# KiCad board PC110.kicad_pcb (continued)
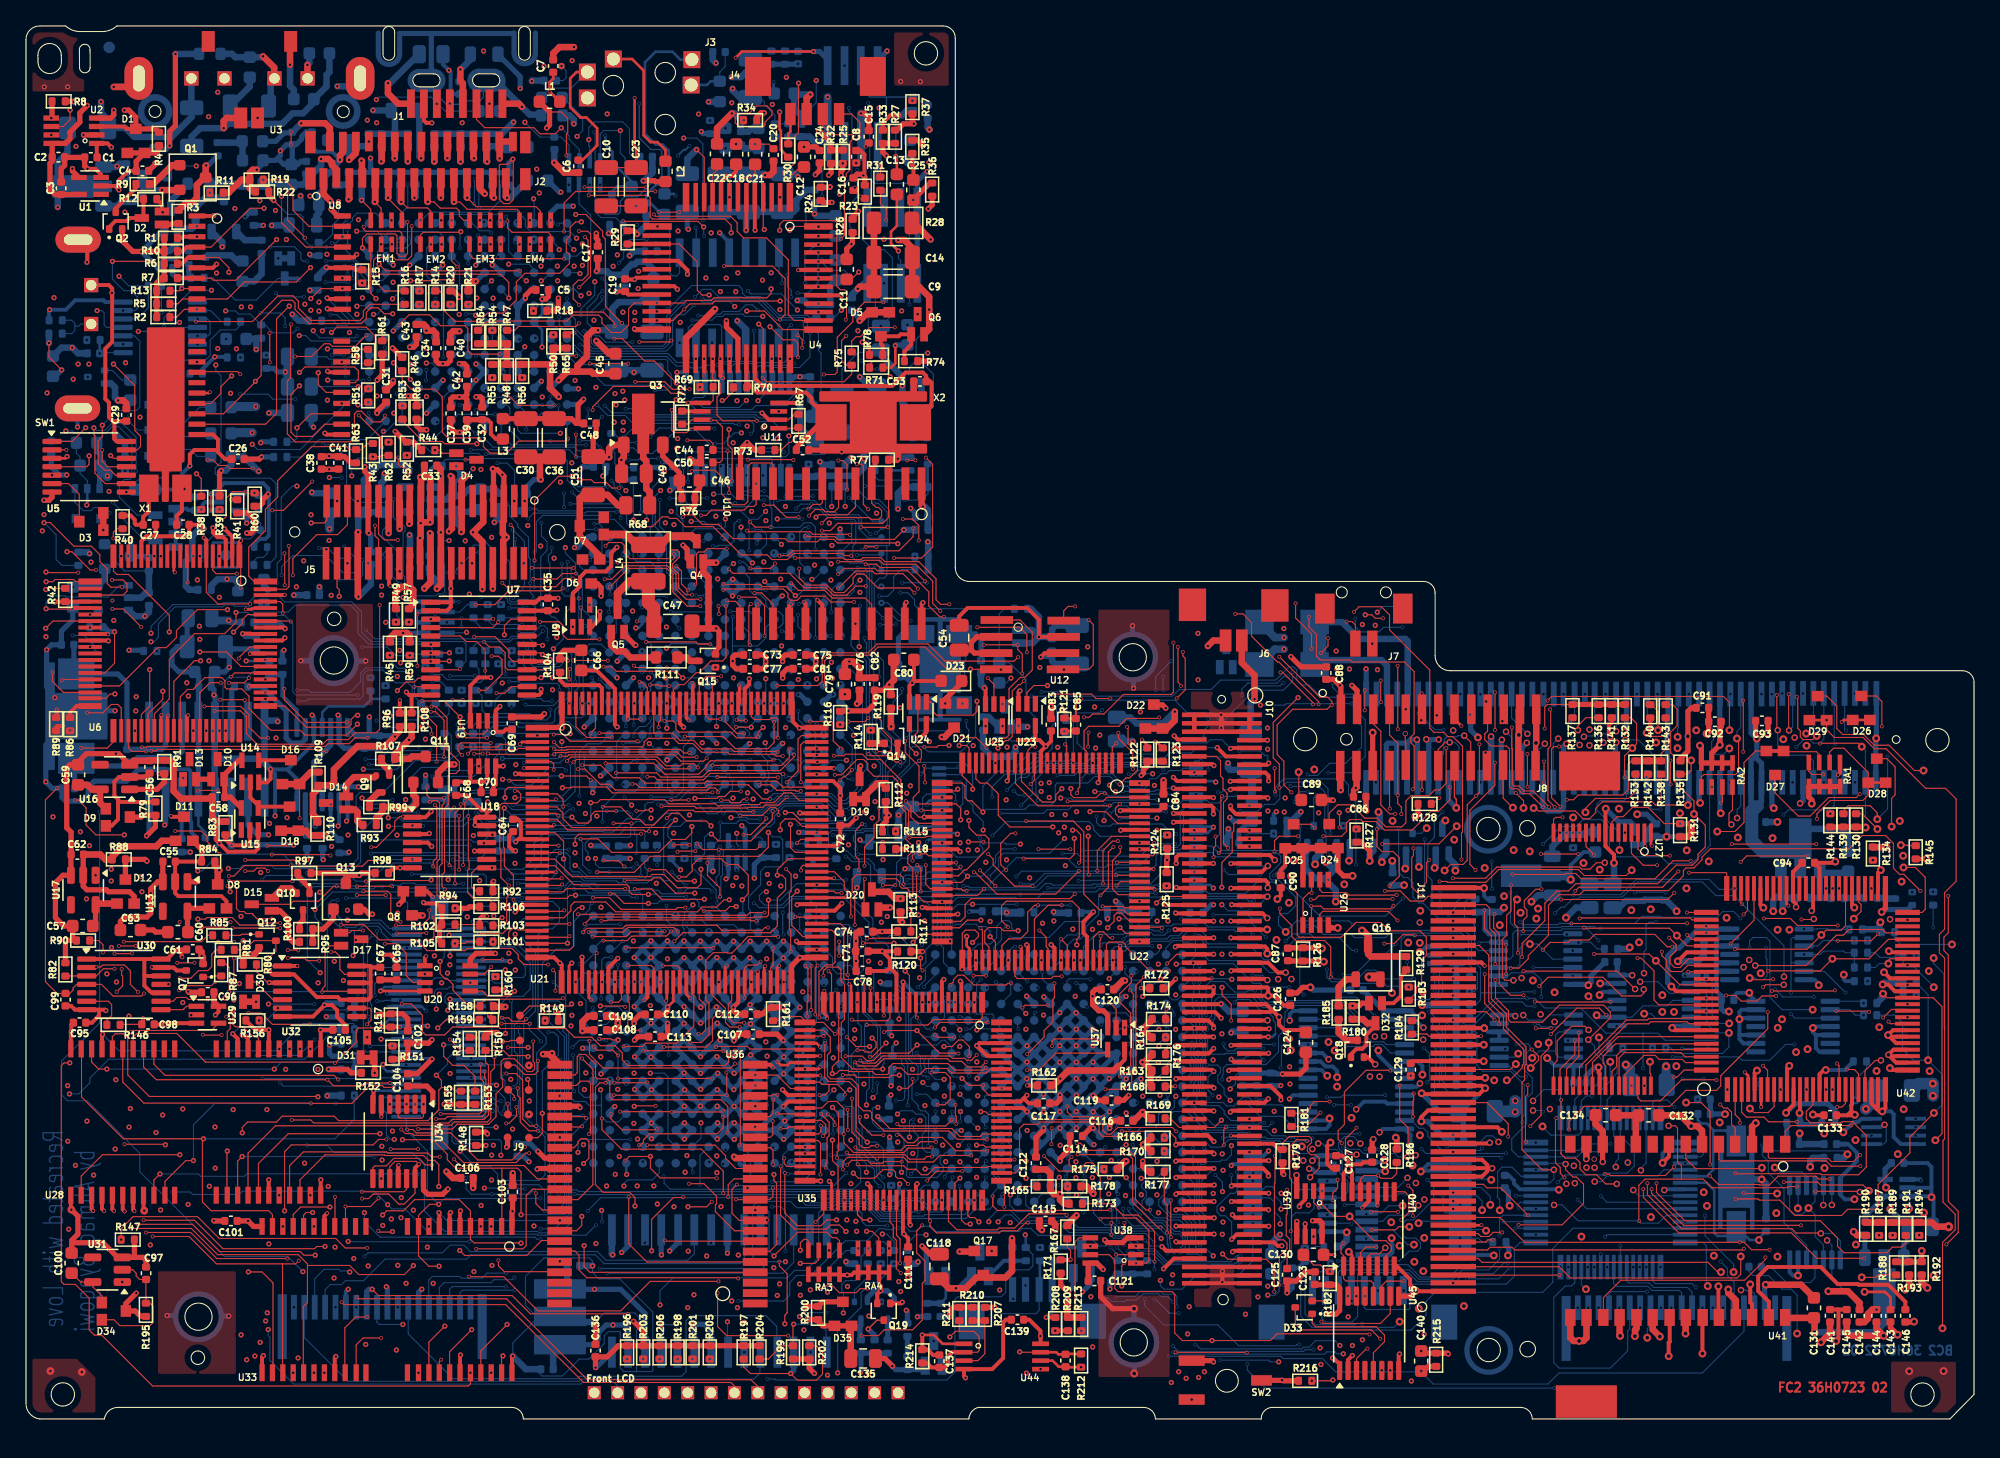
[diagram p0: board, top side]
## Routing (per net, layer and track width the routed paths; a pad name or vN(x,y) marks a point on that pad's centre or on a via; arc(x,y) is an arc through that point) (continued)
Net-(U10-M): length 54.8
  FC2 w0.3: v1(69.09,62.91) 68.99,62.81 U10.24
  FC2 w0.4: R92.2 35.97,41.38 v1(36.02,41.43)
  IC1 w0.08: v1(36.02,41.43) 36.11,41.52 47.16,41.52 48.79,43.15 65.84,43.15 65.89,43.1 v1(66.02,43.1)
  IC4 w0.08: v1(66.02,43.1) 66.02,45.28 65.61,45.69 65.61,46.98 65.99,47.36 65.99,48.68 66.89,49.58 66.89,50.43 66.63,50.69 66.63,52.99 69.1,55.46 69.1,62.9 v1(69.09,62.91)
Net-(U10-MO): length 56.4
  FC2 w0.08: v3(59.44,83.52) 59.79,83.17 v3(59.79,82.55) ; v3(58.93,64.42) 59.5,63.85 61.52,63.85 62.11,63.26 64.64,63.26 65.14,62.76 U10.21
  FC1 w0.08: v3(59.44,83.52) 59.42,83.54 59.42,84.83 59.87,85.28 59.87,91.41 61.58,93.12 62.14,93.12 62.68,93.66 v1(62.68,94.39) ; v3(58.93,64.42) 58.75,64.6 58.75,69.9 58.89,70.04 58.89,73.23 58.76,73.36 58.76,74.11 59.18,74.53 59.18,77.27 57.07,79.38 57.07,82.21 57.41,82.55 v3(59.79,82.55)
  BC1 w0.08: v7(58.23,87.53) 59.99,87.53 v7(60,87.54) ; v7(60.68,90.4) 60.68,91.93 61.66,92.91 61.66,93.9 62.15,94.39 v1(62.68,94.39)
  BC2 w0.08: v7(60,87.54) 60,89.72 v7(60.68,90.4) ; v7(58.23,87.53) 58.23,88.04 58,88.27 U46.7
Net-(U10-RD#): length 317.4
  FC2 w0.08: v3(27.38,23.29) 27.37,23.3 ; v3(51.1,50.19) 51.01,50.1 49.21,50.1 48.49,50.82 42.4,50.82 v3(42.19,50.61) ; v3(27.76,21.54) 27.16,21.54 26.74,21.12 20.44,21.12 19.92,20.6 v1(19.92,16.04) ; v3(38.76,20.48) 38.47,20.48 37.75,19.76 33.7,19.76 31.6,21.86 29.87,21.86 29.74,21.99 29.23,21.99 v3(28.91,22.31) ; U10.6 62.59,70.23 62.28,69.92 61.53,69.92 61.37,70.08 60.79,70.08 v3(60.32,69.61)
  FC2 w0.3: 27.37,23.3 U34.6
  FC1 w0.08: v3(28.91,22.31) 28.84,22.31 27.86,23.29 v3(27.38,23.29) 27.38,22.9 27.76,22.52 v3(27.76,21.54) ; v3(51.1,50.19) 51.1,50.88 51.38,51.16 51.38,51.2 51.48,51.3 51.48,52.58 52.03,53.13 52.03,57.46 51.76,57.73 51.76,60.59 52.67,61.5 54.87,61.5 55.05,61.68 61.09,61.68 61.49,62.08 61.49,63.63 60.95,64.17 60.95,64.93 60.32,65.56 v3(60.32,69.61) ; v3(38.76,20.48) 38.76,22.58 37.46,23.88 36.8,23.88 36.67,24.01 36.67,24.7 36.93,24.96 38.42,24.96 39.13,25.67 39.13,26.5 38.88,26.75 38.58,26.75 38.37,26.96 38.37,27.36 38.57,27.56 38.94,27.56 39.13,27.75 39.13,28.72 39.37,28.96 39.37,30.04 39.32,30.09 39.32,30.88 39.2,31 39.2,31.64 39.52,31.96 39.52,37.46 40.21,38.15 40.21,50.1 40.47,50.36 41.94,50.36 v3(42.19,50.61)
  IC1 w0.08: v1(19.92,16.04) 19.69,16.04 19.61,16.12 10.39,16.12 v1(10.37,16.1) ; v1(1.54,60.28) 1.55,60.29 2.24,60.29 2.82,60.87 2.82,64.45 2.09,65.18 2.09,69.27 1.67,69.69 v1(1.39,69.69)
  IC2 w0.08: v1(1.54,60.28) 2.55,60.28 3.16,59.68 3.16,40.86 3.54,40.47 3.54,33.5 2.69,32.65 2.69,19.43 4.06,18.06 8.41,18.06 v1(10.37,16.1)
  IC3 w0.08: v1(1.39,69.69) 2.03,70.33 2.03,76.76 1.77,77.03 1.77,78.41 2.44,79.08 2.51,79.08 2.88,79.45 4.36,79.45 6.04,81.13 6.04,94.6 11.03,99.59 11.03,104.02 12.69,105.68 19.24,105.68 19.96,104.96 19.96,104 20.17,103.79 20.17,103.23 20.2,103.2 20.24,103.2 20.91,102.53 21.19,102.53 25.23,98.49 38.34,98.49 40.54,100.69 40.54,104.38 41.41,105.25 42.88,105.25 43.48,105.85 58.18,105.85 60.87,103.16 v1(60.87,103.15)
  BC1 w0.08: v7(60.08,91.86) 60.08,90.27 61,89.35 v7(61.32,89.35) ; v7(65.56,80.91) 65.56,79.11 68.03,76.64 v7(68.31,76.64) ; v7(63.42,88.13) 63.45,88.1 63.45,82.46 v7(64.35,81.56) ; v7(56.86,94.9) 57.29,94.9 60.41,98.02 v7(60.41,100.98) ; v7(56.88,93.68) v7(60.08,93.68)
  BC2 w0.08: v1(60.87,103.15) 60.87,101.44 v7(60.41,100.98) ; v7(61.32,89.35) 61.32,89.12 61.92,88.52 63.03,88.52 v7(63.42,88.13) ; v7(64.35,81.56) 65,80.91 v7(65.56,80.91) ; v7(56.88,93.68) 56.88,94.88 v7(56.86,94.9) ; v7(60.08,91.86) v7(60.08,93.68)
Net-(U10-SH): length 47.8
  FC2 w0.08: v3(54.13,65.48) 54.44,65.17 58.81,65.17 59.92,64.06 61.61,64.06 62.19,63.48 63.21,63.48 63.91,64.18 v3(64.69,64.18)
  FC1 w0.08: v3(54.13,65.48) 52.74,65.48 52.32,65.9 52.32,65.92 51.89,66.35 51.89,67.55 52.35,68.01 52.35,71.44 51.66,72.13 51.66,73.18 51.42,73.42 50.75,73.42 49.69,74.48 49.69,75.04 v1(50.2,75.55) ; v3(63.89,61.28) 63.89,61.74 64.69,62.54 v3(64.69,64.18)
  IC4 w0.08: v1(50.2,75.55) 51.24,76.59 51.24,84.99 52.48,86.23 52.78,86.23 53.05,86.5 53.05,88.54 53.43,88.92 v1(53.43,91.41)
  BC2 w0.3: v1(53.43,91.41) 54.17,90.68 U46.4
Net-(U10-SY): length 37.3
  FC2 w0.3: v1(67.8,62.92) 67.69,62.81 U10.23
  IC1 w0.08: v1(67.8,62.92) 67.8,65.46 65.24,68.02 59.01,68.02 58.5,68.53 v1(58.5,70.32)
  IC4 w0.08: v1(58.07,85.49) 56.42,85.49 55.94,85.01 55.94,72.96 58.5,70.4 v1(58.5,70.32)
  BC1 w0.08: v7(57.97,84.29) 57.97,84.87 58.07,84.97 v1(58.07,85.49)
  BC2 w0.08: U46.10 57.98,84.29 v7(57.97,84.29) 58.02,84.25
Net-(U10-WR#): length 103.7
  FC2 w0.08: v3(31.26,19.58) 30.78,19.58 30.28,20.08 28.33,20.08 27.75,19.5 26.87,19.5 26.72,19.35 U34.8 ; v3(51.65,51) 50.53,51 50.13,51.4 41.8,51.4 41.75,51.35 40.8,51.35 v3(40.68,51.23) ; v3(31.94,23.51) 34.93,23.51 35.24,23.82 35.24,26 35.02,26.22 v3(35.02,27.35) ; v3(36.66,30.91) 37.18,30.91 37.44,30.65 38.36,30.65 v3(38.53,30.82) ; v1(60.85,69.49) 61.04,69.68 63.29,69.68 63.89,70.28 U10.5
  FC1 w0.08: v3(38.53,30.82) 38.53,31.93 38.92,32.32 38.92,37.88 39.62,38.58 39.62,50.65 40.2,51.23 v3(40.68,51.23) ; v3(31.26,19.58) 31.52,19.84 31.52,20.58 31.94,21 v3(31.94,23.51) ; v3(51.65,51) 51.66,51.01 51.66,52.44 52.23,53.01 52.23,57.65 51.95,57.93 51.95,60.31 52.14,60.5 54.19,60.5 55.18,61.49 61.34,61.49 61.68,61.83 61.68,63.76 61.14,64.3 61.14,66.49 60.65,66.98 60.65,69.29 v1(60.85,69.49) ; v3(35.02,27.35) 35.19,27.52 35.19,29.99 36.11,30.91 v3(36.66,30.91)
  BC1 w0.08: v7(66.55,71.9) 68.31,73.66 v7(68.31,75.66) ; v7(64.61,71.88) 64.61,69.05 64.2,68.64 63.42,68.64 63.32,68.74 63.32,68.96 62.61,69.67 61.44,69.67 61.26,69.49 v1(60.85,69.49)
  BC2 w0.08: v7(66.55,71.9) 64.63,71.9 v7(64.61,71.88)
Net-(U11A-+): length 48.8
  FC2 w0.08: v3(56.74,80.24) 57.05,79.93 63.01,79.93 63.6,80.52 R75.1 63.18,81.21 62.82,81.57 62.82,83.1 v3(63.18,83.46) ; v1(58.06,91.6) 58.06,92.06 58.35,92.35 62.29,92.35 62.45,92.19 62.45,87.3 62.73,87.02 63.05,87.02 63.2,86.87 63.2,84.76 v3(63.15,84.71)
  FC1 w0.08: v3(57.98,77.65) 57.98,78.09 56.74,79.33 v3(56.74,80.24) ; v3(63.15,84.71) 63.15,83.49 v3(63.18,83.46)
  BC1 w0.08: v7(65.42,89.04) 65.11,88.73 60.09,88.73 58.05,90.77 58.05,91.59 v1(58.06,91.6)
  BC2 w0.08: v7(65.42,89.04) 65.42,85.73 64.88,85.19 64.88,82.54 64.54,82.2 64.12,82.2 62.85,80.93 C214.1
Net-(U11A--): length 15
  FC2 w0.08: U11.2 58.74,77 59.16,77.42 R67.2
  FC2 w0.3: U11.2 57.22,77 v1(56.7,77.52)
  BC1 w0.08: v7(50.35,82.93) 50.52,82.93 51.3,82.15 51.3,81.88 50.97,81.55 50.97,80.44 51.05,80.36 51.05,79.47 50.91,79.33 v7(50.91,77.77)
  BC2 w0.08: v1(56.7,77.52) 56.55,77.52 56.48,77.59 51.09,77.59 v7(50.91,77.77)
Net-(U11B-+): length 8.5
  FC2 w0.08: U11.5 52.74,78.3 52.93,78.49 R69.2 ; v3(50.95,75.42) 52.65,75.42 52.92,75.15 C44.2
  FC2 w0.3: v3(51.01,78.31) 51.02,78.3 U11.5
  FC1 w0.08: v3(50.95,75.42) 51.01,75.48 v3(51.01,78.31)
Net-(U11B--): length 1.6
  FC2 w0.08: 52.05,77.68 U11.6
  FC2 w0.3: 52.05,77.68 52.02,77.65 50.57,77.65 R72.2
Net-(U11C-V+): length 81.3
  FC2 w0.08: v3(47.24,83) 49.61,83 v3(49.72,83.11) ; U11.8 51.23,76.35 50.89,76.01 49.92,76.01 49.74,76.19 v3(49.74,77.76)
  FC1 w0.08: v1(45.54,90.8) 45.06,90.32 45.06,89.56 45.6,89.02 45.6,88.2 45.03,87.63 45.03,84.05 45.63,83.45 45.63,80.48 46.48,79.63 47.06,79.63 47.24,79.81 v3(47.24,83) ; v3(49.72,83.11) 49.72,82.67 49.65,82.6 49.65,78.16 49.74,78.07 v3(49.74,77.76)
  BC1 w0.08: v7(61.32,96.25) v7(64.03,96.25) ; v7(68.66,79.3) 67.89,80.07 66.99,80.07 66.75,79.83 66.31,79.83 66,80.14 66,84.06 v7(65.85,84.21) ; v7(61.32,94.24) 60.42,93.34 59.08,93.34 56.77,91.03 55.16,91.03 54.74,91.45 54.74,91.79 53.82,92.71 50.13,92.71 49.59,92.17 v7(49.59,91.72) 47.38,91.72 v7(47.07,92.03)
  BC2 w0.08: v7(61.32,94.24) v7(61.32,96.25) ; U46.1 50.35,88.32 50.12,88.09 49.82,88.09 49.59,88.32 v7(49.59,91.72) ; v7(64.03,96.25) 64.03,94.18 63.45,93.6 63.45,91.88 65.22,90.11 66.11,90.11 66.73,89.49 66.73,85.09 v7(65.85,84.21) ; v1(45.54,90.8) 46.17,91.43 46.47,91.43 v7(47.07,92.03) ; 49.59,89.98 C157.1
Net-(U11C-V-): length 36.7
  FC2 w0.3: v1(59.62,78.49) 59.43,78.3 U11.4
  IC1 w0.5: v1(64.23,80.31) 62.41,78.49 v1(59.62,78.49) 59.62,78.53 56.69,81.46 56.69,82.81 54.87,84.63 v1(54.79,84.63) 54.79,84.39 54.2,83.8 53.09,83.8 51.31,85.58 49.3,85.58 48.87,86.01 48.87,88.48 47.7,89.65 v1(46.49,89.65)
  BC2 w0.3: v1(59.62,78.49) 59.64,78.47
  BC2 w0.5: C157.2 46.82,89.98 v1(46.49,89.65) ; U46.12 55.44,84 54.8,84.63 v1(54.79,84.63) ; 59.64,78.47 59.64,76.38 60.58,75.44 R250.2 ; v1(64.23,80.31) 65.24,79.3 C209.2
Net-(U12-Bypass): length 5.6
  FC2 w0.4: U12.3 73.05,59.02 72.81,59.26 ; 72.81,59.26 72.81,59.84 73.24,60.27 U12.2 ; 72.81,59.26 C54.1
Net-(U12-~{SD}): length 29.7
  FC2 w0.08: U12.1 76.57,61.57 77.51,60.63 77.51,57.72 76.94,57.15 76.59,57.15 75.72,56.28 75.72,52.71 75.48,52.47 75.25,52.47 74.94,52.16 v1(74.34,52.16)
  BC2 w0.08: v1(74.34,52.16) 74.72,52.54 75.6,52.54 75.9,52.24 77.16,52.24 77.72,52.8 77.72,54.09 77.03,54.78 77.03,57 75.76,58.28 74.96,58.28 D40.3 74.96,62.03 75.36,62.43 R247.1
Net-(U13-CD): length 3.4
  FC2 w0.08: 12.44,37.56 C60.2
  FC2 w0.4: D8.3 14.12,39.35 12.67,39.35 U13.5 12.44,37.56
Net-(U13-OUT): length 18.3
  FC2 w0.08: v3(13.24,48.41) 13.27,48.44 v3(14.81,48.44)
  FC2 w0.3: R83.1 15.37,44.67 v3(15.83,44.21) 17.04,44.21 17.24,44.41 U15.2
  FC2 w0.4: U13.1 13.18,41.4 v1(13.23,41.45)
  FC1 w0.08: v3(14.81,48.44) 15.28,48.44 15.83,47.89 v3(15.83,44.21) ; v1(13.23,41.45) 12.58,42.1 12.58,42.59 13.24,43.25 v3(13.24,48.41)
Net-(U13-VDD): length 11.1
  FC2 w0.3: D8.1 15.45,39.9 15.05,40.29 11.73,40.29 11.49,40.53 U13.2 11.49,42.93 C55.2 13.52,42.95 R84.1
  FC2 w0.4: D11.1 13.53,43.88 R84.1
Net-(U16-CD): length 3.5
  FC2 w0.5: C59.1 4.73,48.87 5.08,48.52 U16.5 5.7,48.51 5.7,47.49 D9.3
Net-(U16-OUT): length 28.5
  FC2 w0.08: 10.63,49.72 R91.1
  FC2 w0.3: v3(10.21,49.72) 10.63,49.72
  FC2 w0.4: U16.1 10.1,48.52 10.65,49.07 R91.1
  FC1 w0.08: v1(8.84,41.79) 8.84,48.85 9.71,49.72 v3(10.21,49.72)
  IC1 w0.08: v1(18.76,45.89) 18.73,45.89 17.49,44.65 17.49,42.72 16.17,41.4 15.55,41.4 15.04,40.89 10.36,40.89 9.45,41.8 8.85,41.8 v1(8.84,41.79)
  BC2 w0.08: U63.9 18.38,46.27 v1(18.76,45.89)
Net-(U16-VDD): length 10
  FC2 w0.3: 7.09,47.57 7.09,47.75 6.81,48.03 6.81,49.11 7.17,49.47 U16.2 ; 7.09,47.57 7.3,47.57 7.32,47.55 R79.2 ; 7.09,47.57 7.09,46.2 6.6,45.71 D9.1
  FC2 w0.4: C56.1 9.22,49.47 U16.2
Net-(U17-CD): length 3.5
  FC2 w0.08: C57.2 5.36,38.21
  FC2 w0.4: 5.36,38.21 U17.5 ; 6.92,39.62 7.01,39.72
  FC2 w0.5: 6.92,39.62 6.82,39.72 5.46,39.72 U17.5
Net-(U17-OUT): length 52.2
  FC2 w0.08: v3(27.65,36.62) 28.56,36.62 29.29,35.89 29.29,34.16 29.82,33.63 U20.3 ; v3(18.94,43.49) 23.38,43.49 v3(23.45,43.42) ; v3(25.49,40.37) v3(27.71,40.37) ; v1(13.5,37.9) 15.36,37.9 v3(15.43,37.83) ; v3(18.93,38.55) 17.79,38.55 17.48,38.86 17.48,38.9 17.43,38.95 16.96,38.95 16.81,39.1 16.45,39.1 16.21,39.34 16.21,40.86 16.01,41.06 v3(15.52,41.06)
  FC1 w0.08: v3(25.49,40.37) 23.99,40.37 23.45,40.91 v3(23.45,43.42) ; v3(15.43,37.83) 15.43,38.25 15.34,38.34 15.34,40.88 v3(15.52,41.06) ; v1(4.76,36.19) 4.76,36.72 5.2,37.16 5.2,41.74 v3(5.36,41.9) ; v3(27.65,36.62) 27.71,36.68 v3(27.71,40.37) ; v3(18.93,38.55) 18.93,43.48 v3(18.94,43.49)
  IC1 w0.08: v1(13.5,37.9) 5.48,37.9 4.76,37.18 v1(4.76,36.19)
Net-(U18A-D): length 8.9
  FC2 w0.08: v3(35.27,44.38) 35.45,44.38 U18.11
  FC1 w0.08: v3(29.77,45.72) v3(29.77,43.12) 30.11,43.12 30.2,43.03 31.2,43.03 32.55,44.38 v3(35.27,44.38)
Net-(U18B-D): length 6.6
  FC2 w0.08: v3(35.9,42.47) U18.8 34.73,42.47 34.32,42.06 34.32,41.01 34.66,40.67 R92.1 ; v3(35.93,45.02) 35.54,45.02 U18.12
  FC1 w0.08: v3(35.93,45.02) 35.9,44.99 v3(35.9,42.47)
Net-(U20-Pad6): length 148.8
  FC1 w0.08: v1(34.5,11.36) 34.5,12.49 34.3,12.69 34.3,16.68 33.81,17.17 33.81,21.37 33.77,21.41 33.77,33.18 v3(34.22,33.63)
  IC3 w0.08: v1(34.5,11.36) 34.6,11.36 34.89,11.07 37.02,11.07 37.38,11.43 45.28,11.43 48.39,14.54 60.55,14.54 61.26,13.83 65.24,13.83 65.36,13.95 65.36,14.27 67.01,15.92 80.06,15.92 81.01,14.97 87.34,14.97 87.69,15.32 88.87,15.32 90.78,13.41 94.93,13.41 96.18,14.66 97.01,14.66 97.16,14.81 97.16,15.31 97.51,15.66 98.31,15.66 98.78,16.13 v1(98.78,16.48)
  BC1 w0.08: v7(113.94,28.51) 113.94,27.4 114.54,26.8 114.96,26.8 115.25,27.09 115.25,27.45 115.39,27.59 115.39,28.11 116.02,28.74 116.02,29.11 116.16,29.25 116.16,29.85 117.33,31.02 117.33,31.54 118.26,32.47 118.26,33.34 118.04,33.56 118.04,36.33 118.68,36.97 v7(118.68,37.33) ; v7(102.06,24.2) 102.06,32.23 103.2,33.37 105.48,33.37 105.71,33.14 v7(105.71,32.32) ; v7(108.89,34.56) 109.26,34.93 109.26,36.22 109.77,36.73 111.88,36.73 v7(111.95,36.66) ; v1(98.78,16.48) 99.36,16.48 100.6,17.72 100.6,20.77 100.93,21.1 100.93,23.5 100.75,23.68 v7(100.75,24.2) ; v7(113.46,36.72) 114.44,36.72 v7(115.05,37.33)
  BC2 w0.08: v7(115.05,37.33) v7(118.68,37.33) 119.08,37.33 U57.1 ; v7(100.75,24.2) v7(102.06,24.2) ; v7(111.95,36.66) 112.03,36.74 U57.13 113.44,36.72 v7(113.46,36.72) ; v7(108.89,34.56) 108.89,34.2 108.83,34.14 108.83,32.91 108.65,32.73 108.48,32.73 108.07,32.32 v7(105.71,32.32) ; U71.3 113.5,28.51 v7(113.94,28.51)
Net-(U21-Chipset_IO3): length 5
  FC1 w0.08: v3(42.33,33.67) 40.47,33.67 40.28,33.48 40.28,30.99 v3(39.99,30.7)
Net-(U21-CPUCLK): length 64.4
  FC2 w0.2: v1(42.04,35.13) 41.83,34.92 U21.38
  IC1 w0.08: v1(42.04,35.13) 42.89,34.28 64.58,34.28 64.9,34.6 v1(64.9,35.28)
  IC4 w0.08: v1(64.9,35.28) 64.58,35.6 64.58,39.16 61.74,42 61.74,54.54 62.72,55.52 62.72,67.5 63.57,68.35 63.57,69.85 v1(63.1,70.32)
  BC2 w0.08: v1(63.1,70.32) 63.09,70.33 R257.1
Net-(U21-PSU_IO2): length 5.3
  FC2 w0.3: 44.36,55.15 44.36,56.33 44.14,56.55 41.52,56.55 41.14,56.93 R104.1
Net-(U21-PWRGD_IN): length 7.8
  FC1 w0.08: v3(42.86,55.15) 42.86,57.17 43.36,57.67 43.36,61.45 43.42,61.51 v3(43.42,62.75)
Net-(U22-IOW#): length 17.7
  FC2 w0.08: U22.43 73.3,40.35 v3(73.8,40.85)
  FC1 w0.08: v3(73.8,40.85) 73.84,40.85 75,42.01 75,48.77 72.96,50.81 v1(72.96,51.89) 72.96,52.44 v3(73.91,53.39)
Net-(U23-Pad4): length 2.2
  FC1 w0.08: v3(76.45,53.41) 75.21,54.65 v3(75.21,55.09)
Net-(U27-MA0): length 26.9
  FC1 w0.08: v3(119.16,25.68) 119.56,25.28 123.39,25.28 123.67,25 127.72,25 130.12,27.4 130.12,31.89 130.58,32.35 131.08,32.35 131.28,32.55 131.28,33.1 130.98,33.4 130.98,37.78 131.6,38.4 v3(131.6,40.89)
Net-(U27-MA1): length 29
  FC2 w0.08: U42.75 131,42.03 130.93,42.1 v3(128.1,42.1) ; U27.19 118.66,26.96 119.61,27.91 v3(119.61,29.76) ; v3(127.27,42.19) 126.06,40.98 119.62,40.98 v3(119.34,40.7)
  FC1 w0.08: v3(119.34,40.7) 119.34,37.58 119.4,37.52 119.4,37.48 119.52,37.36 119.52,30.65 119.61,30.56 v3(119.61,29.76) ; v3(127.27,42.19) 128.01,42.19 v3(128.1,42.1)
Net-(U27-MA2): length 24.3
  FC2 w0.08: v3(119.3,29.18) 119.3,28.1 118.16,26.96 U27.18 ; v3(127.94,38.19) 127.93,38.18 v3(119.04,38.18) ; v3(127.94,39.03) 128.26,39.03 128.26,39.04 129.43,39.04
  FC1 w0.08: v3(119.04,38.18) 119.04,37.35 119.3,37.09 v3(119.3,29.18) ; v3(127.94,39.03) v3(127.94,38.19)
Net-(U27-MA3): length 25.3
  FC2 w0.08: v4(120.36,29.98) 120.08,30.26 119.06,30.26 117.94,29.14 117.94,27.61 117.66,27.33 U27.17 ; v3(119.67,38.57) 119.71,38.61 128.18,38.61 128.33,38.46 129.43,38.46
  FC1 w0.08: v3(119.67,38.57) 119.67,37.68 119.79,37.56 119.79,37.51 119.89,37.41 119.89,30.45 v4(120.36,29.98)
Net-(U27-MA4): length 19.5
  FC2 w0.08: v3(118.35,46.36) 117.81,46.36 117.66,46.21 U27.16
  FC1 w0.08: v3(129.43,37.96) 128.98,38.41 128.98,39.3 127.9,40.38 v2(127.9,40.89) 126.97,41.82 126.97,42.49 127.25,42.77 127.25,45 126.54,45.71 118.78,45.71 118.35,46.14 v3(118.35,46.36)
Net-(U27-MA5): length 18.7
  FC2 w0.08: v3(118.25,40.03) 126.45,40.03 v3(126.96,40.54)
  FC1 w0.08: v3(126.96,40.54) 126.96,40.14 127.24,39.86 127.69,39.86 128.5,39.05 128.5,38.07 129.11,37.46 v3(129.43,37.46) ; v3(118.25,40.03) 118.25,45.09 v3(118.16,45.18)
Net-(U27-MA6): length 18.8
  FC2 w0.08: 129.43,36.96 128.3,36.96 v3(127.96,37.3)
  FC1 w0.08: v3(127.96,37.3) 126.51,38.75 126.51,42.34 127.01,42.84 127.01,44.94 126.41,45.54 119.05,45.54 118.69,45.18 v3(118.66,45.18)
Net-(U27-MA7): length 17.7
  FC2 w0.08: v3(120,37.86) 120.04,37.82 126.59,37.82 v2(127.16,37.25) 127.95,36.46 129.43,36.46
  FC1 w0.08: v3(119.16,45.18) 119.16,42.32 119.97,41.51 119.97,37.89 v3(120,37.86)
Net-(U27-MA8): length 16
  FC2 w0.08: v3(126.62,43.41) 124.67,43.41 124.16,43.92 U27.3 ; v3(126.57,37.08) 127.1,36.55 127.1,36.08 126.64,35.62 126.64,35.13 126.98,34.79 127.4,34.79 128.07,35.46 129.43,35.46
  FC1 w0.08: v3(126.57,37.08) 126.57,37.46 126.33,37.7 126.33,42.67 126.62,42.96 v3(126.62,43.41)
Net-(U27-MA9): length 14.5
  FC2 w0.08: v3(126,36.01) 126,35.71 126.37,35.34 126.37,34.84 126.72,34.49 126.76,34.49 126.77,34.48 127.53,34.48 128.01,34.96 129.43,34.96
  FC2 w0.2: v3(124.72,44.15) 124.66,44.21 U27.2
  FC1 w0.08: v3(126,36.01) 125.93,36.08 125.93,42.94 v3(124.72,44.15)
Net-(U27-MA10): length 15.3
  FC2 w0.08: v3(128.04,34.46) 129.43,34.46
  FC1 w0.08: v3(124.66,25.68) 125.63,26.65 128.68,26.65 129.93,27.9 129.93,33.3 129.77,33.46 129.04,33.46 v3(128.04,34.46)
Net-(U27-MA11): length 13.4
  FC2 w0.2: v3(125.25,44.17) 125.16,44.26 U27.1
  FC1 w0.08: v3(125.25,44.17) 126.14,43.28 126.14,36.57 126.86,35.85 127.48,35.85 v3(129.43,33.91)
Net-(U27-MA12): length 19.4
  FC2 w0.08: 129.43,33.46 127.39,33.46 v2(125.54,35.31) 125.02,35.83 v3(120.78,35.83)
  FC1 w0.08: v3(119.66,45.18) 120.47,44.37 120.47,41.86 120.78,41.55 v3(120.78,35.83)
Net-(U27-MA13): length 16
  FC2 w0.08: v3(125.63,42.67) 124.58,42.67 123.66,43.59 U27.4
  FC1 w0.08: v3(125.63,42.67) 125.63,35.94 128.1,33.47 128.48,33.47 129.43,32.53 v3(129.43,32.41)
Net-(U27-MA14): length 19
  FC2 w0.08: v3(124.13,35.51) 124.41,35.51 125.4,34.52 125.4,32.28 125.77,31.91 129.43,31.91
  FC1 w0.08: v3(124.13,35.51) 124.13,35.8 125.15,36.82 v2(125.15,39.28) 124.23,40.2 124.23,44.11 v3(123.16,45.18)
Net-(U27-MA15): length 19.4
  FC2 w0.08: U27.11 120.16,44.11 v3(120.79,43.48)
  FC1 w0.08: v3(120.79,43.48) 120.79,41.93 122.76,39.96 122.76,35.45 123.35,34.86 124.95,34.86 125.1,34.71 125.1,34.23 126.63,32.7 128.13,32.7 v3(129.43,31.41)
Net-(U27-MD0): length 12.8
  FC2 w0.08: 129.43,30.91 127.57,30.91 127.51,30.85 124.99,30.85 124.89,30.75 123.27,30.75 119.66,27.14 U27.21
Net-(U27-MD1): length 12.3
  FC2 w0.08: 129.43,30.46 128.09,30.46 127.94,30.61 125.15,30.61 124.99,30.45 123.34,30.45 120.16,27.27 U27.22
Net-(U27-MD2): length 11.4
  FC2 w0.08: 129.43,29.46 122.64,29.46 120.66,27.48 U27.23
Net-(U27-MD3): length 10.7
  FC2 w0.08: 129.43,28.91 122.45,28.91 121.48,27.94 121.48,27.4 121.68,27.2 121.68,25.7 U27.25
Net-(U27-MD4): length 9.6
  FC2 w0.08: 129.43,28.46 122.97,28.46 122.52,28.01 122.52,27.15 122.16,26.79 U27.26
Net-(U27-MD5): length 9.2
  FC2 w0.08: 129.43,27.91 127.8,27.91 127.48,28.23 123.11,28.23 122.71,27.83 U27.27
Net-(U27-MD6): length 8
  FC2 w0.08: U27.28 123.16,26.55 124.63,28.02 125.49,28.02 125.8,27.71 127.58,27.71 127.83,27.46 129.43,27.46
Net-(U27-MD7): length 6.6
  FC2 w0.08: 129.43,26.89 127.72,26.89 127.16,26.33 v3(126.93,26.33)
  FC1 w0.08: v3(126.93,26.33) 125.82,25.22 124.12,25.22 v3(123.66,25.68)
Net-(U27-ROMCEL0#): length 24.1
  FC2 w0.08: v3(130.21,26.11) 130.18,26.14 127.52,26.14 125.89,24.51 124.39,24.51 124.16,24.74 U27.30 ; U42.71 133.1,38.43 v3(131.3,36.63)
  FC1 w0.08: v3(130.21,26.11) 130.21,26.54 130.35,26.68 130.35,31.77 130.74,32.16 131.16,32.16 131.46,32.46 131.46,33.19 131.33,33.32 131.33,36.6 v3(131.3,36.63)
Net-(U27-ROMOEL#): length 19.2
  FC2 w0.08: U42.72 132.6,39.18 v3(132.3,38.88) ; U27.32 125.16,26.56 125.09,26.63 v2(125.09,27.53)
  FC1 w0.08: v3(132.3,38.88) v4(132.3,34.81)
  IC2 w0.08: v4(132.3,34.81) 132.3,33.31 128.42,29.43 126.99,29.43 v2(125.09,27.53)
Net-(U27-ROMWEL#): length 45.1
  FC2 w0.08: v3(133.88,38.57) 135.9,38.57 136.44,38.03 v3(139.55,38.03) ; v3(139.55,36.85) 142.13,36.85 v3(142.67,37.39) ; U42.73 132.1,39.76 v3(132.18,39.68) ; v3(137.9,44.29) 137.89,44.3 v3(131.39,44.3) ; v3(127.41,45.88) 126.19,45.88 124.94,47.13 123.74,47.13 123.02,46.41 122.57,46.41 122.16,46 U27.7
  FC1 w0.08: v3(133.88,38.57) 133.64,38.57 132.53,39.68 v3(132.18,39.68) ; v3(137.9,44.29) 138.81,43.38 141.94,43.38 v3(142.26,43.06) 142.26,41.43 142.77,40.92 143.77,40.92 144.09,40.6 144.09,37.83 143.65,37.39 v3(142.67,37.39) ; v3(139.55,36.85) v3(139.55,38.03) ; v3(131.39,44.3) 128.99,44.3 v3(127.41,45.88)
Net-(U28-RAS#): length 51.5
  FC2 w0.08: U28.15 9.06,27.13 10.04,26.14 v3(23.22,26.14) 23.68,25.68 25.94,25.68 26.15,25.89 v3(28.03,25.89) ; R101.1 33.95,36.78 33.82,36.65 v3(33.05,36.65) ; v3(30.84,37.45) 28.61,37.45 v3(28.57,37.41) ; v3(23.8,17.11) 23.8,14.85 U33.15
  FC1 w0.08: v3(28.57,37.41) 28.57,37 28.74,36.83 28.74,32.34 28.47,32.07 28.47,29.73 27.79,29.05 27.79,28.29 28.03,28.05 v3(28.03,25.89) ; v3(23.8,17.11) 23.8,24.97 23.22,25.55 v3(23.22,26.14) ; v3(30.84,37.45) 31.64,36.65 v3(33.05,36.65)
Net-(U30A-~{Q}): length 3.7
  FC2 w0.08: U30.6 6.35,32.19 6.6,31.94 6.6,31.09 6.23,30.72 R146.1
Net-(U30B-C): length 45.8
  FC2 w0.08: v1(6.52,74.24) 6.73,74.03 U5.12
  FC1 w0.08: v12(11.84,38.31) 11.37,37.84 11.37,34.34 10.98,33.95 v3(10.98,33.5)
  IC2 w0.08: v12(11.84,38.31) 11.84,45.87 10.14,47.57 10.14,66.45 8.81,67.78 8.81,73.94 8.64,74.11 6.65,74.11 v1(6.52,74.24)
Net-(U30B-Q): length 24.1
  FC2 w0.08: v3(21.88,30.41) 18.98,30.41 18.11,31.28 v3(17.13,31.28) ; v3(14.01,32.33) 12.51,32.33 12.36,32.48 11.62,32.48 11.33,32.19 U30.9 ; U32.11 22.87,32.96 v3(22.82,32.91) 22.82,33.15 23.04,33.37 23.04,36.08 23.43,36.47 D17.1
  FC1 w0.08: v3(21.88,30.41) 21.88,32.31 22.48,32.91 v3(22.82,32.91) ; v3(17.13,31.28) 16.5,31.91 16.5,32.64 15.82,33.32 15,33.32 v3(14.01,32.33)
Net-(U30B-~{Q}): length 2.8
  FC2 w0.08: U29.1 12.36,31.8 12.16,31.6 12.16,31.59 12.11,31.54 U30.8
Net-(U31-CD): length 3.8
  FC2 w0.08: D34.3 5.85,9.49 5.14,10.19 U31.5 4.21,10.55 3.53,11.24 C100.1
Net-(U31-VDD): length 10.3
  FC2 w0.08: U31.2 8.22,11.5 8.49,11.23 8.49,11.02 8.76,10.75 C97.1 9.24,10.74 R195.2 9.56,8.92 9.82,8.66 9.82,7.46 9.55,7.19 7.23,7.19 6.78,7.65 D34.1
Net-(U32A-Q): length 3.1
  FC2 w0.08: U32.5 19.02,32.31 17.63,33.7 D30.3
Net-(U32A-~{Q}): length 59.9
  FC2 w0.08: v3(11.66,35.15) 12.97,35.15 v3(12.98,35.16) ; v3(18.64,42.22) 18.41,42.45 17.77,42.45 17.54,42.22 v3(16.89,42.22) ; v3(18.64,52.48) 18.03,52.48 17.17,53.34 17.17,54.29 16.55,54.91 v3(13.75,54.91) ; v3(18.59,44.18) 20.11,44.18 v3(20.15,44.22) ; v3(12.73,31.12) 13.1,31.12 U29.2
  FC1 w0.08: v3(13.75,54.91) 13.42,54.91 13.29,54.78 13.29,54.13 11.83,52.67 11.83,39.9 12.26,39.47 12.26,37.03 11.66,36.43 v3(11.66,35.15) ; v3(18.59,44.18) 18.64,44.13 v3(18.64,42.22) ; v3(18.64,52.48) 18.64,51.91 20.02,50.53 20.02,47.55 20.65,46.92 20.65,45.49 20.15,44.99 v3(20.15,44.22) ; v3(16.89,42.22) 16.89,40.65 18.15,39.39 18.15,33.35 19.4,32.1 v3(19.4,31.66) ; v3(12.98,35.16) 12.96,35.14 12.96,32.7 12.73,32.47 v3(12.73,31.12)
Net-(U32B-Q): length 3.4
  FC2 w0.08: v3(26.27,30.41) 26.59,30.73 26.59,31.53 26.46,31.66 U32.9
  FC1 w0.08: v3(26.27,30.41) 26.28,30.4 v3(26.28,29.41)
Net-(U35-FF_2D): length 49.1
  FC2 w0.08: R186.1 105.58,18.91 105.21,18.54 104.37,18.54 v3(104.15,18.76) 103.06,18.76 102.79,18.49 U40.12 ; v3(78.71,31.88) 76.94,31.88 v3(76.76,31.7)
  FC1 w0.08: v3(78.71,31.88) 83.11,31.88 83.43,31.56 84.9,31.56 85.58,30.88 89.34,30.88 91.07,32.61 92.93,32.61 93.58,31.96 97.98,31.96 98.77,31.17 98.77,22.87 99.71,21.93 102.77,21.93 104.15,20.55 v3(104.15,18.76) ; v3(73.05,32.11) 74.5,32.11 74.92,31.69 76.75,31.69 v3(76.76,31.7)
Net-(U35-FF_2Q#): length 43.5
  FC2 w0.08: v3(101.49,13.56) 101.29,13.36 101.29,12.78 101.49,12.58 U40.1 101.49,10.81 101.67,10.63 103.61,10.63 103.79,10.46 U45.12 ; v3(81.01,20.39) 81.03,20.37 84.93,20.37 85.24,20.06 85.24,16.7 87.2,14.74 v3(87.39,14.74)
  FC1 w0.08: v3(81.01,20.39) 81.01,20.73 80.9,20.84 80.64,20.84 79.75,21.73 76.42,21.73 75.15,23 v3(75.15,25.46) ; v3(101.49,13.56) 100.43,14.62 97.96,14.62 97.07,15.51 95.41,15.51 93.29,13.39 92.45,13.39 92.08,13.76 90.79,13.76 89.2,15.35 88,15.35 v3(87.39,14.74)
Net-(U35-Pluto_55): length 16.7
  FC1 w0.08: v1(62.96,8.17) 62.43,8.7 62.43,13.48 61.6,14.31 61.6,15.65 62.42,16.47 63.23,16.47 63.55,16.79 v3(63.55,16.86)
  BC2 w0.08: R398.2 64.82,12.98 64.32,12.48 64.32,11.08 63.9,10.66 63.14,10.66 62.84,10.36 62.84,9.85 62.96,9.73 v1(62.96,8.17)
Net-(U35-Pluto_56): length 5.3
  FC2 w0.1: v1(65,15.33) 64.46,15.33 64.05,15.74 U35.56
  BC1 w0.08: v7(65.84,12.98) 65.61,12.98 65.08,13.51 65.08,14.17 65.31,14.4 65.31,15.02 v1(65,15.33)
Net-(U35-Pluto_57): length 5
  FC1 w0.08: v3(64.55,16.86) 65.96,15.45 v1(65.96,14.25)
  BC2 w0.08: R399.2 66.86,13.69 66.3,14.25 v1(65.96,14.25)
Net-(U35-PNET7_SENSE): length 75.6
  FC2 w0.08: 106.46,14.75 106.47,14.76 ; v3(103.65,14.57) 105.48,14.57 105.72,14.81 v2(106.55,14.81) ; v3(83.52,16.13) 83.46,16.07 74.82,16.07 74.46,16.43 v3(74.46,17.16)
  FC1 w0.08: v3(74.46,17.16) 74.45,17.17 73.36,17.17 v3(73.05,16.86) ; v3(103.65,14.57) 103.65,8.96 101.74,7.05 98.89,7.05 98.09,7.85 98.09,9.88 97.3,10.67 95.26,10.67 94.43,9.84 94.43,7.96 93.89,7.42 90.9,7.42 90.08,8.24 90.08,10.88 88.35,12.61 86.82,12.61 86.45,12.98 86.45,14.52 85.56,15.41 84.24,15.41 v3(83.52,16.13)